# KiCad board Eclipse60.kicad_pcb (continued)
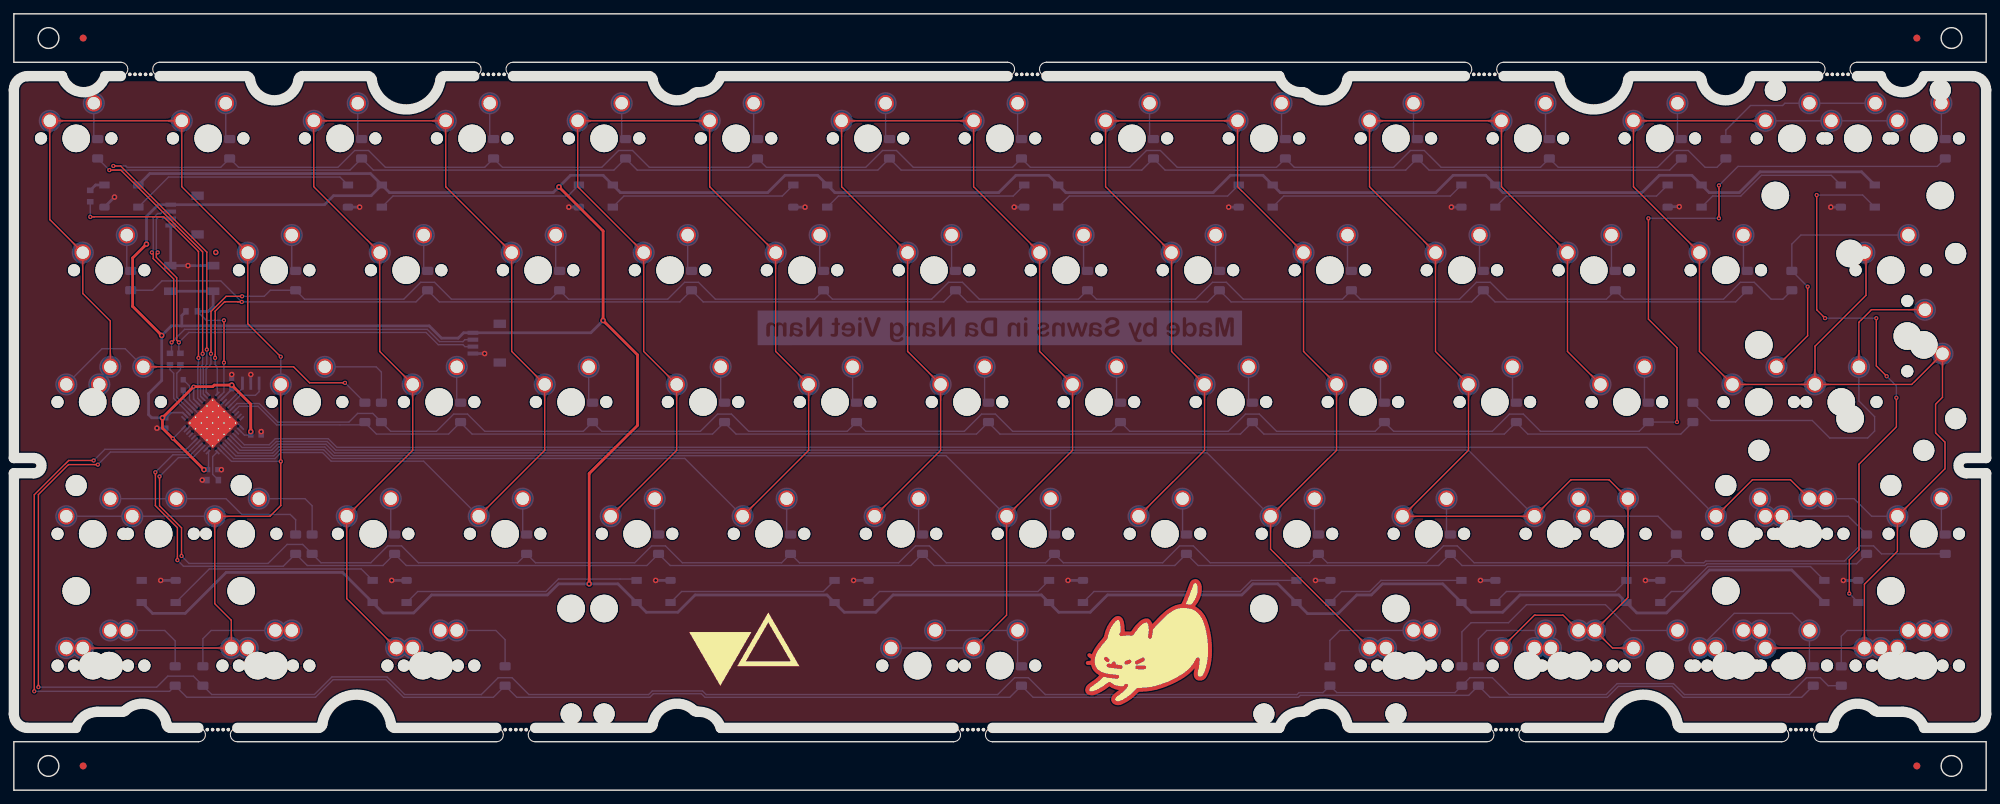
[diagram p0: board, top side]
## Copper pours and planes (outline as drawn; the poured copper is in the pictures) (continued)
R3 on Bottom: 232.09,71.48 231.74,72.45 230.96,72.46 230.98,71.68 231.94,71.34
R3 on Bottom: 230.4,71.34 231.37,71.68 231.39,72.46 230.61,72.45 230.26,71.48
R3 on Bottom: 192.3,71.34 193.27,71.68 193.29,72.46 192.51,72.45 192.16,71.48
R3 on Bottom: 154.2,71.34 155.17,71.68 155.19,72.46 154.41,72.45 154.06,71.48
R3 on Bottom: 193.99,71.48 193.64,72.45 192.86,72.46 192.88,71.68 193.84,71.34
R3 on Bottom: 155.89,71.48 155.54,72.45 154.76,72.46 154.78,71.68 155.74,71.34
R3 on Bottom: 117.79,71.48 117.44,72.45 116.66,72.46 116.68,71.68 117.64,71.34
R3 on Bottom: 79.69,71.48 79.34,72.45 78.56,72.46 78.58,71.68 79.54,71.34
R3 on Bottom: 116.1,71.34 117.07,71.68 117.09,72.46 116.31,72.45 115.96,71.48
R4 on Bottom: 241.59,52.29 242.56,52.63 242.57,53.41 241.8,53.4 241.45,52.43
R4 on Bottom: 216.12,52.29 217.08,52.63 217.1,53.41 216.32,53.4 215.97,52.43
R4 on Bottom: 178.02,52.29 178.98,52.63 179,53.41 178.22,53.4 177.87,52.43
R4 on Bottom: 139.92,52.29 140.88,52.63 140.9,53.41 140.12,53.4 139.77,52.43
R4 on Bottom: 179.67,52.38 179.37,53.35 178.59,53.43 178.54,52.65 179.53,52.24
R4 on Bottom: 141.57,52.38 141.27,53.35 140.49,53.43 140.44,52.65 141.43,52.24
R4 on Bottom: 103.47,52.38 103.17,53.35 102.39,53.43 102.34,52.65 103.33,52.24
R4 on Bottom: 101.82,52.29 102.78,52.63 102.8,53.41 102.02,53.4 101.67,52.43
R4 on Bottom: 63.72,52.29 64.68,52.63 64.7,53.41 63.92,53.4 63.57,52.43
R4 on Bottom: 49.62,52.69 50.67,52.6 50.89,53.4 50.12,53.43 49.62,52.89
R4 on Bottom: 51.56,52.38 51.25,53.35 50.48,53.43 50.43,52.65 51.42,52.24
R4 on Bottom: 65.37,52.38 65.07,53.35 64.29,53.43 64.24,52.65 65.23,52.24
R4 on Bottom: 217.77,52.38 217.47,53.35 216.69,53.43 216.64,52.65 217.63,52.24
R5 on Bottom: 235.17,52.29 236.13,52.63 236.15,53.41 235.37,53.4 235.02,52.43
R5 on Bottom: 197.07,52.29 198.03,52.63 198.05,53.41 197.27,53.4 196.92,52.43
R5 on Bottom: 158.97,52.29 159.93,52.63 159.95,53.41 159.17,53.4 158.82,52.43
R5 on Bottom: 198.75,52.43 198.4,53.4 197.62,53.41 197.64,52.63 198.61,52.29
R5 on Bottom: 160.65,52.43 160.3,53.4 159.52,53.41 159.54,52.63 160.51,52.29
R5 on Bottom: 122.55,52.43 122.2,53.4 121.42,53.41 121.44,52.63 122.41,52.29
R5 on Bottom: 120.87,52.29 121.83,52.63 121.85,53.41 121.07,53.4 120.72,52.43
R5 on Bottom: 84.45,52.43 84.1,53.4 83.32,53.41 83.34,52.63 84.31,52.29
R5 on Bottom: 82.77,52.29 83.73,52.63 83.75,53.41 82.97,53.4 82.62,52.43
R5 on Bottom: 53.97,52.43 53.62,53.4 52.84,53.41 52.86,52.63 53.82,52.29
R5 on Bottom: 52.14,53.97 52.49,53 53.27,52.99 53.25,53.77 52.28,54.11
R5 on Bottom: 237.13,53.3 236.2,53.74 235.64,53.2 236.2,52.66 237.13,53.1
R5 on Bottom: 278.03,90.39 279,90.73 279.01,91.51 278.23,91.5 277.89,90.53
R6 on Bottom: 39.9,33.24 40.87,33.58 40.89,34.36 40.11,34.35 39.76,33.38
R6 on Bottom: 266.67,33.24 267.64,33.58 267.66,34.36 266.88,34.35 266.53,33.38
R6 on Bottom: 208.27,33.38 207.93,34.35 207.15,34.36 207.16,33.58 208.13,33.24
R6 on Bottom: 206.59,33.24 207.56,33.58 207.57,34.36 206.79,34.35 206.45,33.38
R6 on Bottom: 168.49,33.24 169.46,33.58 169.47,34.36 168.69,34.35 168.35,33.38
R6 on Bottom: 130.39,33.24 131.36,33.58 131.37,34.36 130.59,34.35 130.25,33.38
R6 on Bottom: 170.17,33.38 169.83,34.35 169.05,34.36 169.06,33.58 170.03,33.24
R6 on Bottom: 132.07,33.38 131.73,34.35 130.95,34.36 130.96,33.58 131.93,33.24
R6 on Bottom: 93.97,33.38 93.63,34.35 92.85,34.36 92.86,33.58 93.83,33.24
R6 on Bottom: 92.29,33.24 93.26,33.58 93.27,34.36 92.49,34.35 92.15,33.38
R6 on Bottom: 54.19,33.24 55.16,33.58 55.17,34.36 54.39,34.35 54.05,33.38
R6 on Bottom: 41.59,33.38 41.24,34.35 40.46,34.36 40.48,33.58 41.44,33.24
R6 on Bottom: 55.87,33.38 55.53,34.35 54.75,34.36 54.76,33.58 55.73,33.24
R7 on Bottom: 42.14,34.92 42.49,33.95 43.27,33.94 43.25,34.72 42.28,35.06
R7 on Bottom: 277.61,34.05 278.54,33.61 279.1,34.15 278.54,34.69 277.61,34.25
R7 on Bottom: 240.89,33.38 240.55,34.35 239.77,34.36 239.78,33.58 240.75,33.24
R7 on Bottom: 239.21,33.24 240.18,33.58 240.19,34.36 239.41,34.35 239.07,33.38
R7 on Bottom: 189.22,33.38 188.88,34.35 188.1,34.36 188.11,33.58 189.08,33.24
R7 on Bottom: 151.12,33.38 150.78,34.35 150,34.36 150.01,33.58 150.98,33.24
R7 on Bottom: 113.02,33.38 112.68,34.35 111.9,34.36 111.91,33.58 112.88,33.24
R7 on Bottom: 187.54,33.24 188.51,33.58 188.52,34.36 187.74,34.35 187.4,33.38
R7 on Bottom: 149.44,33.24 150.41,33.58 150.42,34.36 149.64,34.35 149.3,33.38
R7 on Bottom: 111.34,33.24 112.31,33.58 112.32,34.36 111.54,34.35 111.2,33.38
R7 on Bottom: 74.92,33.38 74.58,34.35 73.8,34.36 73.81,33.58 74.78,33.24
R7 on Bottom: 73.24,33.24 74.21,33.58 74.22,34.36 73.44,34.35 73.1,33.38
R7 on Bottom: 43.97,33.38 43.62,34.35 42.84,34.36 42.86,33.58 43.83,33.24
R8 on Bottom: 146.36,14.33 146.02,15.3 145.24,15.31 145.25,14.53 146.22,14.19
R8 on Bottom: 258.98,14.19 259.95,14.53 259.96,15.31 259.18,15.3 258.84,14.33
R8 on Bottom: 210.64,14.19 211.6,14.53 211.62,15.31 210.84,15.3 210.49,14.33
R8 on Bottom: 212.32,14.33 211.97,15.3 211.19,15.31 211.21,14.53 212.18,14.19
R8 on Bottom: 144.68,14.19 145.65,14.53 145.66,15.31 144.88,15.3 144.54,14.33
R8 on Bottom: 71.82,14.33 71.48,15.3 70.7,15.31 70.72,14.53 71.68,14.19
R8 on Bottom: 24.2,14.33 23.85,15.3 23.08,15.31 23.09,14.53 24.06,14.19
R8 on Bottom: 22.42,14.19 23.29,14.5 23.5,15.31 22.72,15.3 22.71,15.26 22.7,15.22 22.66,14.48 22.64,14.46 22.63,14.44 22.6,14.43 22.58,14.41 22.55,14.4 22.51,14.39 22.47,14.39 22.42,14.39
R8 on Bottom: 70.14,14.19 71.11,14.53 71.12,15.31 70.35,15.3 70,14.33
R9 on Bottom: 262.6,15 263.53,14.56 264.09,15.1 263.53,15.64 262.6,15.2
R9 on Bottom: 209.8,16.01 208.83,15.67 208.81,14.89 209.59,14.9 209.94,15.87
R9 on Bottom: 190.89,14.33 190.54,15.3 189.76,15.31 189.78,14.53 190.75,14.19
R9 on Bottom: 208.25,14.19 209.22,14.53 209.24,15.31 208.46,15.3 208.11,14.33
R9 on Bottom: 189.2,14.19 190.17,14.53 190.19,15.31 189.41,15.3 189.06,14.33
R9 on Bottom: 28.2,14.33 27.85,15.3 27.08,15.31 27.09,14.53 28.06,14.19
R9 on Bottom: 26.38,15.87 26.72,14.9 27.5,14.89 27.48,15.67 26.52,16.01
RGB on Bottom: 12.09,87.27 12.86,87.02 13.33,87.47 12.86,87.92 12.09,87.67
Net-(D1-Pad2) on Bottom: 11.64,96.09 11.64,96.23 11.65,96.35 11.66,96.47 11.68,96.58 11.7,96.69 11.73,96.78 11.76,96.87 11.79,96.96 11.83,97.04 11.86,97.11 11.91,97.18 11.95,97.25 12,97.32 12.05,97.38 12.1,97.44 12.16,97.5 12.45,97.81 12.51,97.88 12.57,97.95 12.63,98.02 12.69,98.1 12.75,98.18 12.81,98.27 12.87,98.37 12.92,98.47 12.98,98.58 11.54,100.08 10.1,98.58 10.16,98.47 10.21,98.37 10.27,98.27 10.33,98.18 10.39,98.1 10.45,98.02 10.51,97.95 10.57,97.88 10.63,97.81 10.92,97.5 10.98,97.44 11.03,97.38 11.08,97.32 11.13,97.25 11.17,97.18 11.22,97.11 11.25,97.04 11.29,96.96 11.32,96.87 11.35,96.78 11.38,96.69 11.4,96.58 11.42,96.47 11.43,96.35 11.44,96.23 11.44,96.09
Net-(D1-Pad2) on Bottom: 11.64,96.89 11.64,96.99 11.65,97.09 11.66,97.18 11.67,97.26 11.68,97.34 11.7,97.41 11.72,97.48 11.75,97.54 11.77,97.6 11.8,97.65 11.83,97.71 11.87,97.76 11.9,97.81 11.94,97.86 12.32,98.28 12.36,98.34 12.41,98.4 12.45,98.46 12.49,98.53 12.54,98.6 12.58,98.68 12.62,98.76 11.54,99.88 10.46,98.76 10.5,98.68 10.54,98.6 10.59,98.53 10.63,98.46 10.67,98.4 10.72,98.34 10.76,98.28 11.14,97.86 11.18,97.81 11.21,97.76 11.25,97.71 11.28,97.65 11.31,97.6 11.33,97.54 11.36,97.48 11.38,97.41 11.4,97.34 11.41,97.26 11.42,97.18 11.43,97.09 11.44,96.99 11.44,96.89
Net-(D2-Pad2) on Bottom: 30.69,96.09 30.69,96.23 30.7,96.35 30.71,96.47 30.73,96.58 30.75,96.69 30.78,96.78 30.81,96.87 30.84,96.96 30.88,97.04 30.91,97.11 30.96,97.18 31,97.25 31.05,97.32 31.1,97.38 31.15,97.44 31.21,97.5 31.5,97.81 31.56,97.88 31.62,97.95 31.68,98.02 31.74,98.1 31.8,98.18 31.86,98.27 31.92,98.37 31.97,98.47 32.03,98.58 30.59,100.08 29.15,98.58 29.21,98.47 29.26,98.37 29.32,98.27 29.38,98.18 29.44,98.1 29.5,98.02 29.56,97.95 29.62,97.88 29.68,97.81 29.97,97.5 30.03,97.44 30.08,97.38 30.13,97.32 30.18,97.25 30.22,97.18 30.27,97.11 30.3,97.04 30.34,96.96 30.37,96.87 30.4,96.78 30.43,96.69 30.45,96.58 30.47,96.47 30.48,96.35 30.49,96.23 30.49,96.09
Net-(D2-Pad2) on Bottom: 30.69,96.89 30.69,96.99 30.7,97.09 30.71,97.18 30.72,97.26 30.73,97.34 30.75,97.41 30.77,97.48 30.8,97.54 30.82,97.6 30.85,97.65 30.88,97.71 30.92,97.76 30.95,97.81 30.99,97.86 31.37,98.28 31.41,98.34 31.46,98.4 31.5,98.46 31.54,98.53 31.59,98.6 31.63,98.68 31.67,98.76 30.59,99.88 29.51,98.76 29.55,98.68 29.59,98.6 29.64,98.53 29.68,98.46 29.72,98.4 29.77,98.34 29.81,98.28 30.19,97.86 30.23,97.81 30.26,97.76 30.3,97.71 30.33,97.65 30.36,97.6 30.38,97.54 30.41,97.48 30.43,97.41 30.45,97.34 30.46,97.26 30.47,97.18 30.48,97.09 30.49,96.99 30.49,96.89
Net-(D3-Pad2) on Bottom: 49.74,96.09 49.74,96.23 49.75,96.35 49.76,96.47 49.78,96.58 49.8,96.69 49.83,96.78 49.86,96.87 49.89,96.96 49.93,97.04 49.96,97.11 50.01,97.18 50.05,97.25 50.1,97.32 50.15,97.38 50.2,97.44 50.26,97.5 50.55,97.81 50.61,97.88 50.67,97.95 50.73,98.02 50.79,98.1 50.85,98.18 50.91,98.27 50.97,98.37 51.02,98.47 51.08,98.58 49.64,100.08 48.2,98.58 48.26,98.47 48.31,98.37 48.37,98.27 48.43,98.18 48.49,98.1 48.55,98.02 48.61,97.95 48.67,97.88 48.73,97.81 49.02,97.5 49.08,97.44 49.13,97.38 49.18,97.32 49.23,97.25 49.27,97.18 49.32,97.11 49.35,97.04 49.39,96.96 49.42,96.87 49.45,96.78 49.48,96.69 49.5,96.58 49.52,96.47 49.53,96.35 49.54,96.23 49.54,96.09
Net-(D3-Pad2) on Bottom: 49.74,96.89 49.74,96.99 49.75,97.09 49.76,97.18 49.77,97.26 49.78,97.34 49.8,97.41 49.82,97.48 49.85,97.54 49.87,97.6 49.9,97.65 49.93,97.71 49.97,97.76 50,97.81 50.04,97.86 50.42,98.28 50.46,98.34 50.51,98.4 50.55,98.46 50.59,98.53 50.64,98.6 50.68,98.68 50.72,98.76 49.64,99.88 48.56,98.76 48.6,98.68 48.64,98.6 48.69,98.53 48.73,98.46 48.77,98.4 48.82,98.34 48.86,98.28 49.24,97.86 49.28,97.81 49.31,97.76 49.35,97.71 49.38,97.65 49.41,97.6 49.43,97.54 49.46,97.48 49.48,97.41 49.5,97.34 49.51,97.26 49.52,97.18 49.53,97.09 49.54,96.99 49.54,96.89
Net-(D4-Pad2) on Bottom: 68.79,96.09 68.79,96.23 68.8,96.35 68.81,96.47 68.83,96.58 68.85,96.69 68.88,96.78 68.91,96.87 68.94,96.96 68.98,97.04 69.01,97.11 69.06,97.18 69.1,97.25 69.15,97.32 69.2,97.38 69.25,97.44 69.31,97.5 69.6,97.81 69.66,97.88 69.72,97.95 69.78,98.02 69.84,98.1 69.9,98.18 69.96,98.27 70.02,98.37 70.07,98.47 70.13,98.58 68.69,100.08 67.25,98.58 67.31,98.47 67.36,98.37 67.42,98.27 67.48,98.18 67.54,98.1 67.6,98.02 67.66,97.95 67.72,97.88 67.78,97.81 68.07,97.5 68.13,97.44 68.18,97.38 68.23,97.32 68.28,97.25 68.32,97.18 68.37,97.11 68.4,97.04 68.44,96.96 68.47,96.87 68.5,96.78 68.53,96.69 68.55,96.58 68.57,96.47 68.58,96.35 68.59,96.23 68.59,96.09
Net-(D4-Pad2) on Bottom: 68.79,96.89 68.79,96.99 68.8,97.09 68.81,97.18 68.82,97.26 68.83,97.34 68.85,97.41 68.87,97.48 68.9,97.54 68.92,97.6 68.95,97.65 68.98,97.71 69.02,97.76 69.05,97.81 69.09,97.86 69.47,98.28 69.51,98.34 69.56,98.4 69.6,98.46 69.64,98.53 69.69,98.6 69.73,98.68 69.77,98.76 68.69,99.88 67.61,98.76 67.65,98.68 67.69,98.6 67.74,98.53 67.78,98.46 67.82,98.4 67.87,98.34 67.91,98.28 68.29,97.86 68.33,97.81 68.36,97.76 68.4,97.71 68.43,97.65 68.46,97.6 68.48,97.54 68.51,97.48 68.53,97.41 68.55,97.34 68.56,97.26 68.57,97.18 68.58,97.09 68.59,96.99 68.59,96.89
Net-(D5-Pad2) on Bottom: 87.84,96.09 87.84,96.23 87.85,96.35 87.86,96.47 87.88,96.58 87.9,96.69 87.93,96.78 87.96,96.87 87.99,96.96 88.03,97.04 88.06,97.11 88.11,97.18 88.15,97.25 88.2,97.32 88.25,97.38 88.3,97.44 88.36,97.5 88.65,97.81 88.71,97.88 88.77,97.95 88.83,98.02 88.89,98.1 88.95,98.18 89.01,98.27 89.07,98.37 89.12,98.47 89.18,98.58 87.74,100.08 86.3,98.58 86.36,98.47 86.41,98.37 86.47,98.27 86.53,98.18 86.59,98.1 86.65,98.02 86.71,97.95 86.77,97.88 86.83,97.81 87.12,97.5 87.18,97.44 87.23,97.38 87.28,97.32 87.33,97.25 87.37,97.18 87.42,97.11 87.45,97.04 87.49,96.96 87.52,96.87 87.55,96.78 87.58,96.69 87.6,96.58 87.62,96.47 87.63,96.35 87.64,96.23 87.64,96.09
Net-(D5-Pad2) on Bottom: 87.84,96.89 87.84,96.99 87.85,97.09 87.86,97.18 87.87,97.26 87.88,97.34 87.9,97.41 87.92,97.48 87.95,97.54 87.97,97.6 88,97.65 88.03,97.71 88.07,97.76 88.1,97.81 88.14,97.86 88.52,98.28 88.56,98.34 88.61,98.4 88.65,98.46 88.69,98.53 88.74,98.6 88.78,98.68 88.82,98.76 87.74,99.88 86.66,98.76 86.7,98.68 86.74,98.6 86.79,98.53 86.83,98.46 86.87,98.4 86.92,98.34 86.96,98.28 87.34,97.86 87.38,97.81 87.41,97.76 87.45,97.71 87.48,97.65 87.51,97.6 87.53,97.54 87.56,97.48 87.58,97.41 87.6,97.34 87.61,97.26 87.62,97.18 87.63,97.09 87.64,96.99 87.64,96.89
Net-(D6-Pad2) on Bottom: 106.89,96.09 106.89,96.23 106.9,96.35 106.91,96.47 106.93,96.58 106.95,96.69 106.98,96.78 107.01,96.87 107.04,96.96 107.08,97.04 107.11,97.11 107.16,97.18 107.2,97.25 107.25,97.32 107.3,97.38 107.35,97.44 107.41,97.5 107.7,97.81 107.76,97.88 107.82,97.95 107.88,98.02 107.94,98.1 108,98.18 108.06,98.27 108.12,98.37 108.17,98.47 108.23,98.58 106.79,100.08 105.35,98.58 105.41,98.47 105.46,98.37 105.52,98.27 105.58,98.18 105.64,98.1 105.7,98.02 105.76,97.95 105.82,97.88 105.88,97.81 106.17,97.5 106.23,97.44 106.28,97.38 106.33,97.32 106.38,97.25 106.42,97.18 106.47,97.11 106.5,97.04 106.54,96.96 106.57,96.87 106.6,96.78 106.63,96.69 106.65,96.58 106.67,96.47 106.68,96.35 106.69,96.23 106.69,96.09
Net-(D6-Pad2) on Bottom: 106.89,96.89 106.89,96.99 106.9,97.09 106.91,97.18 106.92,97.26 106.93,97.34 106.95,97.41 106.97,97.48 107,97.54 107.02,97.6 107.05,97.65 107.08,97.71 107.12,97.76 107.15,97.81 107.19,97.86 107.57,98.28 107.61,98.34 107.66,98.4 107.7,98.46 107.74,98.53 107.79,98.6 107.83,98.68 107.87,98.76 106.79,99.88 105.71,98.76 105.75,98.68 105.79,98.6 105.84,98.53 105.88,98.46 105.92,98.4 105.97,98.34 106.01,98.28 106.39,97.86 106.43,97.81 106.46,97.76 106.5,97.71 106.53,97.65 106.56,97.6 106.58,97.54 106.61,97.48 106.63,97.41 106.65,97.34 106.66,97.26 106.67,97.18 106.68,97.09 106.69,96.99 106.69,96.89
Net-(D7-Pad2) on Bottom: 125.94,96.09 125.94,96.23 125.95,96.35 125.96,96.47 125.98,96.58 126,96.69 126.03,96.78 126.06,96.87 126.09,96.96 126.13,97.04 126.16,97.11 126.21,97.18 126.25,97.25 126.3,97.32 126.35,97.38 126.4,97.44 126.46,97.5 126.75,97.81 126.81,97.88 126.87,97.95 126.93,98.02 126.99,98.1 127.05,98.18 127.11,98.27 127.17,98.37 127.22,98.47 127.28,98.58 125.84,100.08 124.4,98.58 124.46,98.47 124.51,98.37 124.57,98.27 124.63,98.18 124.69,98.1 124.75,98.02 124.81,97.95 124.87,97.88 124.93,97.81 125.22,97.5 125.28,97.44 125.33,97.38 125.38,97.32 125.43,97.25 125.47,97.18 125.52,97.11 125.55,97.04 125.59,96.96 125.62,96.87 125.65,96.78 125.68,96.69 125.7,96.58 125.72,96.47 125.73,96.35 125.74,96.23 125.74,96.09
Net-(D7-Pad2) on Bottom: 125.94,96.89 125.94,96.99 125.95,97.09 125.96,97.18 125.97,97.26 125.98,97.34 126,97.41 126.02,97.48 126.05,97.54 126.07,97.6 126.1,97.65 126.13,97.71 126.17,97.76 126.2,97.81 126.24,97.86 126.62,98.28 126.66,98.34 126.71,98.4 126.75,98.46 126.79,98.53 126.84,98.6 126.88,98.68 126.92,98.76 125.84,99.88 124.76,98.76 124.8,98.68 124.84,98.6 124.89,98.53 124.93,98.46 124.97,98.4 125.02,98.34 125.06,98.28 125.44,97.86 125.48,97.81 125.51,97.76 125.55,97.71 125.58,97.65 125.61,97.6 125.63,97.54 125.66,97.48 125.68,97.41 125.7,97.34 125.71,97.26 125.72,97.18 125.73,97.09 125.74,96.99 125.74,96.89
Net-(D8-Pad2) on Bottom: 144.99,96.09 144.99,96.23 145,96.35 145.01,96.47 145.03,96.58 145.05,96.69 145.08,96.78 145.11,96.87 145.14,96.96 145.18,97.04 145.21,97.11 145.26,97.18 145.3,97.25 145.35,97.32 145.4,97.38 145.45,97.44 145.51,97.5 145.8,97.81 145.86,97.88 145.92,97.95 145.98,98.02 146.04,98.1 146.1,98.18 146.16,98.27 146.22,98.37 146.27,98.47 146.33,98.58 144.89,100.08 143.45,98.58 143.51,98.47 143.56,98.37 143.62,98.27 143.68,98.18 143.74,98.1 143.8,98.02 143.86,97.95 143.92,97.88 143.98,97.81 144.27,97.5 144.33,97.44 144.38,97.38 144.43,97.32 144.48,97.25 144.52,97.18 144.57,97.11 144.6,97.04 144.64,96.96 144.67,96.87 144.7,96.78 144.73,96.69 144.75,96.58 144.77,96.47 144.78,96.35 144.79,96.23 144.79,96.09
Net-(D8-Pad2) on Bottom: 144.99,96.89 144.99,96.99 145,97.09 145.01,97.18 145.02,97.26 145.03,97.34 145.05,97.41 145.07,97.48 145.1,97.54 145.12,97.6 145.15,97.65 145.18,97.71 145.22,97.76 145.25,97.81 145.29,97.86 145.67,98.28 145.71,98.34 145.76,98.4 145.8,98.46 145.84,98.53 145.89,98.6 145.93,98.68 145.97,98.76 144.89,99.88 143.81,98.76 143.85,98.68 143.89,98.6 143.94,98.53 143.98,98.46 144.02,98.4 144.07,98.34 144.11,98.28 144.49,97.86 144.53,97.81 144.56,97.76 144.6,97.71 144.63,97.65 144.66,97.6 144.68,97.54 144.71,97.48 144.73,97.41 144.75,97.34 144.76,97.26 144.77,97.18 144.78,97.09 144.79,96.99 144.79,96.89
Net-(D9-Pad2) on Bottom: 164.04,96.09 164.04,96.23 164.05,96.35 164.06,96.47 164.08,96.58 164.1,96.69 164.13,96.78 164.16,96.87 164.19,96.96 164.23,97.04 164.26,97.11 164.31,97.18 164.35,97.25 164.4,97.32 164.45,97.38 164.5,97.44 164.56,97.5 164.85,97.81 164.91,97.88 164.97,97.95 165.03,98.02 165.09,98.1 165.15,98.18 165.21,98.27 165.27,98.37 165.32,98.47 165.38,98.58 163.94,100.08 162.5,98.58 162.56,98.47 162.61,98.37 162.67,98.27 162.73,98.18 162.79,98.1 162.85,98.02 162.91,97.95 162.97,97.88 163.03,97.81 163.32,97.5 163.38,97.44 163.43,97.38 163.48,97.32 163.53,97.25 163.57,97.18 163.62,97.11 163.65,97.04 163.69,96.96 163.72,96.87 163.75,96.78 163.78,96.69 163.8,96.58 163.82,96.47 163.83,96.35 163.84,96.23 163.84,96.09
Net-(D9-Pad2) on Bottom: 164.04,96.89 164.04,96.99 164.05,97.09 164.06,97.18 164.07,97.26 164.08,97.34 164.1,97.41 164.12,97.48 164.15,97.54 164.17,97.6 164.2,97.65 164.23,97.71 164.27,97.76 164.3,97.81 164.34,97.86 164.72,98.28 164.76,98.34 164.81,98.4 164.85,98.46 164.89,98.53 164.94,98.6 164.98,98.68 165.02,98.76 163.94,99.88 162.86,98.76 162.9,98.68 162.94,98.6 162.99,98.53 163.03,98.46 163.07,98.4 163.12,98.34 163.16,98.28 163.54,97.86 163.58,97.81 163.61,97.76 163.65,97.71 163.68,97.65 163.71,97.6 163.73,97.54 163.76,97.48 163.78,97.41 163.8,97.34 163.81,97.26 163.82,97.18 163.83,97.09 163.84,96.99 163.84,96.89
Net-(D10-Pad2) on Bottom: 183.09,96.09 183.09,96.23 183.1,96.35 183.11,96.47 183.13,96.58 183.15,96.69 183.18,96.78 183.21,96.87 183.24,96.96 183.28,97.04 183.31,97.11 183.36,97.18 183.4,97.25 183.45,97.32 183.5,97.38 183.55,97.44 183.61,97.5 183.9,97.81 183.96,97.88 184.02,97.95 184.08,98.02 184.14,98.1 184.2,98.18 184.26,98.27 184.32,98.37 184.37,98.47 184.43,98.58 182.99,100.08 181.55,98.58 181.61,98.47 181.66,98.37 181.72,98.27 181.78,98.18 181.84,98.1 181.9,98.02 181.96,97.95 182.02,97.88 182.08,97.81 182.37,97.5 182.43,97.44 182.48,97.38 182.53,97.32 182.58,97.25 182.62,97.18 182.67,97.11 182.7,97.04 182.74,96.96 182.77,96.87 182.8,96.78 182.83,96.69 182.85,96.58 182.87,96.47 182.88,96.35 182.89,96.23 182.89,96.09
Net-(D10-Pad2) on Bottom: 183.09,96.89 183.09,96.99 183.1,97.09 183.11,97.18 183.12,97.26 183.13,97.34 183.15,97.41 183.17,97.48 183.2,97.54 183.22,97.6 183.25,97.65 183.28,97.71 183.32,97.76 183.35,97.81 183.39,97.86 183.77,98.28 183.81,98.34 183.86,98.4 183.9,98.46 183.94,98.53 183.99,98.6 184.03,98.68 184.07,98.76 182.99,99.88 181.91,98.76 181.95,98.68 181.99,98.6 182.04,98.53 182.08,98.46 182.12,98.4 182.17,98.34 182.21,98.28 182.59,97.86 182.63,97.81 182.66,97.76 182.7,97.71 182.73,97.65 182.76,97.6 182.78,97.54 182.81,97.48 182.83,97.41 182.85,97.34 182.86,97.26 182.87,97.18 182.88,97.09 182.89,96.99 182.89,96.89
Net-(D11-Pad2) on Bottom: 202.14,96.09 202.14,96.23 202.15,96.35 202.16,96.47 202.18,96.58 202.2,96.69 202.23,96.78 202.26,96.87 202.29,96.96 202.33,97.04 202.36,97.11 202.41,97.18 202.45,97.25 202.5,97.32 202.55,97.38 202.6,97.44 202.66,97.5 202.95,97.81 203.01,97.88 203.07,97.95 203.13,98.02 203.19,98.1 203.25,98.18 203.31,98.27 203.37,98.37 203.42,98.47 203.48,98.58 202.04,100.08 200.6,98.58 200.66,98.47 200.71,98.37 200.77,98.27 200.83,98.18 200.89,98.1 200.95,98.02 201.01,97.95 201.07,97.88 201.13,97.81 201.42,97.5 201.48,97.44 201.53,97.38 201.58,97.32 201.63,97.25 201.67,97.18 201.72,97.11 201.75,97.04 201.79,96.96 201.82,96.87 201.85,96.78 201.88,96.69 201.9,96.58 201.92,96.47 201.93,96.35 201.94,96.23 201.94,96.09
Net-(D11-Pad2) on Bottom: 202.14,96.89 202.14,96.99 202.15,97.09 202.16,97.18 202.17,97.26 202.18,97.34 202.2,97.41 202.22,97.48 202.25,97.54 202.27,97.6 202.3,97.65 202.33,97.71 202.37,97.76 202.4,97.81 202.44,97.86 202.82,98.28 202.86,98.34 202.91,98.4 202.95,98.46 202.99,98.53 203.04,98.6 203.08,98.68 203.12,98.76 202.04,99.88 200.96,98.76 201,98.68 201.04,98.6 201.09,98.53 201.13,98.46 201.17,98.4 201.22,98.34 201.26,98.28 201.64,97.86 201.68,97.81 201.71,97.76 201.75,97.71 201.78,97.65 201.81,97.6 201.83,97.54 201.86,97.48 201.88,97.41 201.9,97.34 201.91,97.26 201.92,97.18 201.93,97.09 201.94,96.99 201.94,96.89
Net-(D12-Pad2) on Bottom: 221.19,96.09 221.19,96.23 221.2,96.35 221.21,96.47 221.23,96.58 221.25,96.69 221.28,96.78 221.31,96.87 221.34,96.96 221.38,97.04 221.41,97.11 221.46,97.18 221.5,97.25 221.55,97.32 221.6,97.38 221.65,97.44 221.71,97.5 222,97.81 222.06,97.88 222.12,97.95 222.18,98.02 222.24,98.1 222.3,98.18 222.36,98.27 222.42,98.37 222.47,98.47 222.53,98.58 221.09,100.08 219.65,98.58 219.71,98.47 219.76,98.37 219.82,98.27 219.88,98.18 219.94,98.1 220,98.02 220.06,97.95 220.12,97.88 220.18,97.81 220.47,97.5 220.53,97.44 220.58,97.38 220.63,97.32 220.68,97.25 220.72,97.18 220.77,97.11 220.8,97.04 220.84,96.96 220.87,96.87 220.9,96.78 220.93,96.69 220.95,96.58 220.97,96.47 220.98,96.35 220.99,96.23 220.99,96.09
Net-(D12-Pad2) on Bottom: 221.19,96.89 221.19,96.99 221.2,97.09 221.21,97.18 221.22,97.26 221.23,97.34 221.25,97.41 221.27,97.48 221.3,97.54 221.32,97.6 221.35,97.65 221.38,97.71 221.42,97.76 221.45,97.81 221.49,97.86 221.87,98.28 221.91,98.34 221.96,98.4 222,98.46 222.04,98.53 222.09,98.6 222.13,98.68 222.17,98.76 221.09,99.88 220.01,98.76 220.05,98.68 220.09,98.6 220.14,98.53 220.18,98.46 220.22,98.4 220.27,98.34 220.31,98.28 220.69,97.86 220.73,97.81 220.76,97.76 220.8,97.71 220.83,97.65 220.86,97.6 220.88,97.54 220.91,97.48 220.93,97.41 220.95,97.34 220.96,97.26 220.97,97.18 220.98,97.09 220.99,96.99 220.99,96.89
Net-(D13-Pad2) on Bottom: 240.24,96.09 240.24,96.23 240.25,96.35 240.26,96.47 240.28,96.58 240.3,96.69 240.33,96.78 240.36,96.87 240.39,96.96 240.43,97.04 240.46,97.11 240.51,97.18 240.55,97.25 240.6,97.32 240.65,97.38 240.7,97.44 240.76,97.5 241.05,97.81 241.11,97.88 241.17,97.95 241.23,98.02 241.29,98.1 241.35,98.18 241.41,98.27 241.47,98.37 241.52,98.47 241.58,98.58 240.14,100.08 238.7,98.58 238.76,98.47 238.81,98.37 238.87,98.27 238.93,98.18 238.99,98.1 239.05,98.02 239.11,97.95 239.17,97.88 239.23,97.81 239.52,97.5 239.58,97.44 239.63,97.38 239.68,97.32 239.73,97.25 239.77,97.18 239.82,97.11 239.85,97.04 239.89,96.96 239.92,96.87 239.95,96.78 239.98,96.69 240,96.58 240.02,96.47 240.03,96.35 240.04,96.23 240.04,96.09
Net-(D13-Pad2) on Bottom: 240.24,96.89 240.24,96.99 240.25,97.09 240.26,97.18 240.27,97.26 240.28,97.34 240.3,97.41 240.32,97.48 240.35,97.54 240.37,97.6 240.4,97.65 240.43,97.71 240.47,97.76 240.5,97.81 240.54,97.86 240.92,98.28 240.96,98.34 241.01,98.4 241.05,98.46 241.09,98.53 241.14,98.6 241.18,98.68 241.22,98.76 240.14,99.88 239.06,98.76 239.1,98.68 239.14,98.6 239.19,98.53 239.23,98.46 239.27,98.4 239.32,98.34 239.36,98.28 239.74,97.86 239.78,97.81 239.81,97.76 239.85,97.71 239.88,97.65 239.91,97.6 239.93,97.54 239.96,97.48 239.98,97.41 240,97.34 240.01,97.26 240.02,97.18 240.03,97.09 240.04,96.99 240.04,96.89